# Altium PCB 2440PCBV8.PcbDoc (part 4 of 4)
Units mm, origin at the board's own origin, x right, y up, seen from the top; angles counter-clockwise.
Board outline 100.55 x 165.78 mm, 6 copper layers (Top Layer, GND1, SIG1, VCC, GND2, Bottom Layer), stack 1.803 mm thick; 257 components, 255 nets, 1164 pads, 733 vias.
Unrouted connection lines stored in the file: 55.
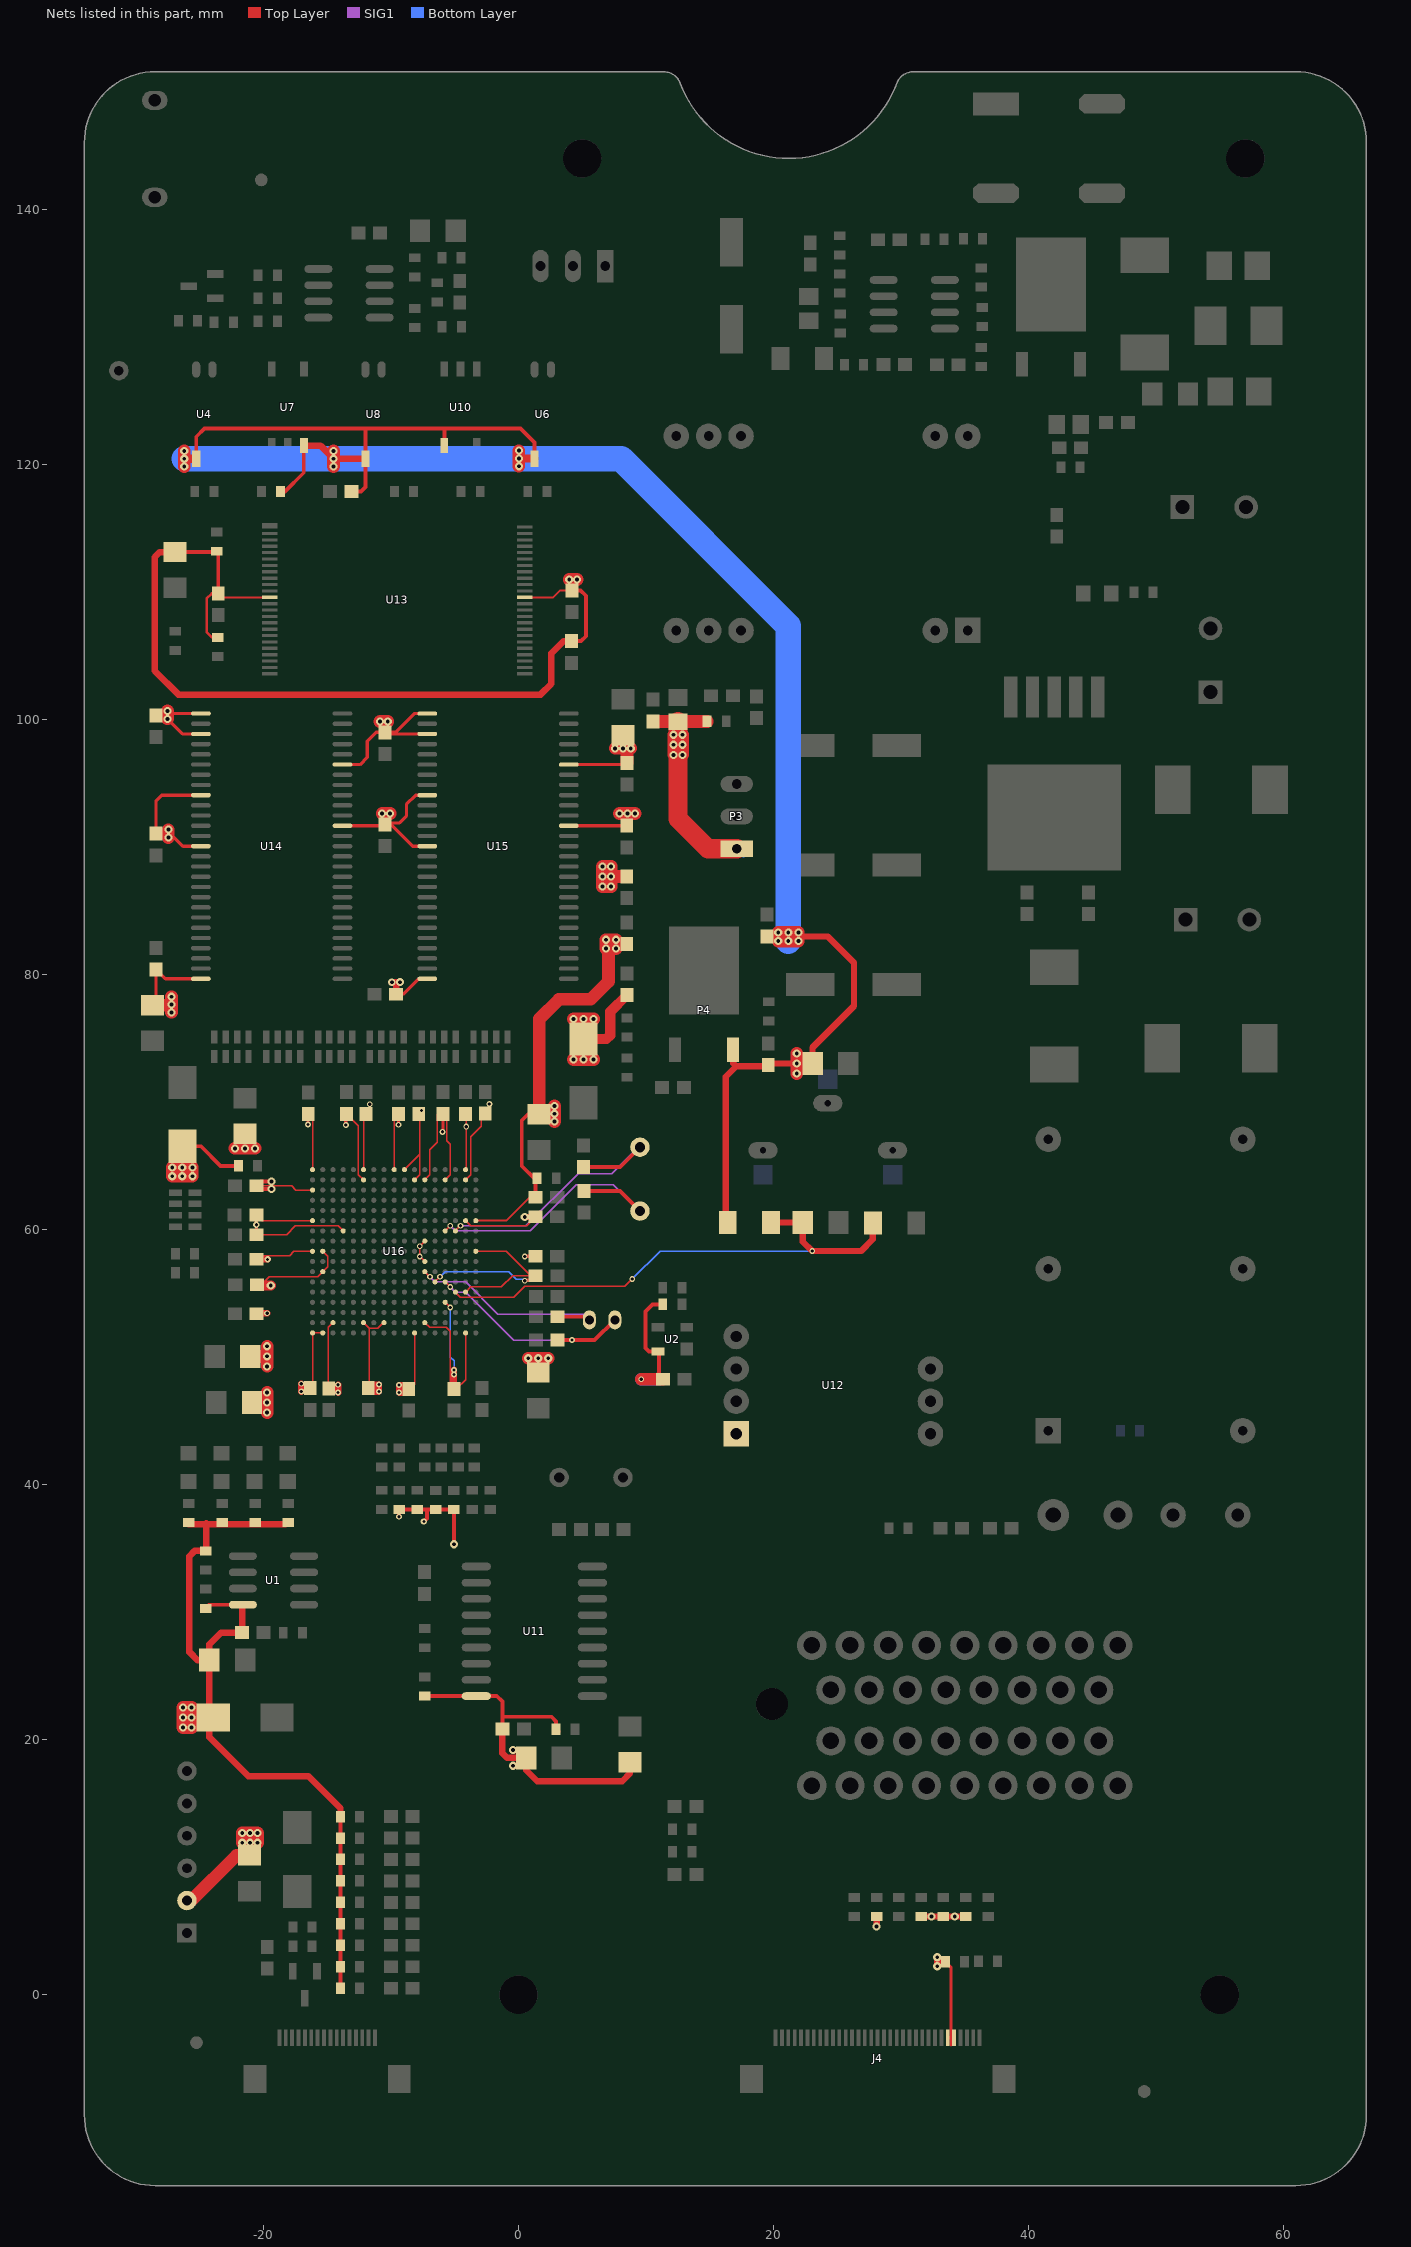
[diagram p8: the nets of this part, all layers, seen from the top]

## Via types
v1: diameter 0.635, hole 0.305, Top Layer to Bottom Layer, tented both sides, 275 vias
v2: diameter 0.457, hole 0.254, Top Layer to Bottom Layer, tented both sides, 233 vias
v3: diameter 0.6, hole 0.3, Top Layer to Bottom Layer, tented both sides, 106 vias
v4: diameter 0.762, hole 0.381, Top Layer to Bottom Layer, tented both sides, 59 vias
v5: diameter 0.508, hole 0.254, Top Layer to Bottom Layer, tented both sides, 59 vias
v6: diameter 0.406, hole 0.254, Top Layer to Bottom Layer, tented both sides, 1 vias

## Nets (pads, with @x,y where several pads share a name; then routed paths per layer and width w, separated by ;. In a path a pad name is that pad's centre, name@x,y a point inside that pad or via, vN(x,y) a via of type N, cw(c..) or ccw(c..) an arc to the next point about the centre after c; other vN are vias at no path point) (continued)
VDD1.3V: C54.1 C56.1 C58.1 C59.1 C60.1 C61.1 C62.1 C63.1 C64.1 C65.1 C66.1 C67.1 CP4.1 CP12.1 CP13.1 CP14.1 RK1.2 U16.A1 U16.A6 U16.A10 U16.A16 U16.B11 U16.F1 U16.F16 U16.G4 U16.J2 U16.J17 U16.L2 U16.M13 U16.N16 U16.T6 U16.T8 U16.U1 U16.U2 U16.U11 | length 107.6
  Top Layer w0.102: C66.1@-20.531,55.761 -20.081,55.761 -19.543,56.299 -15.748,56.299 U16.L2@-15.348,56.699 -14.961,57.086 -14.961,57.912 U16.J2@-15.348,58.299 ; C62.1@-20.531,61.12 -20.11,60.699 U16.F1@-16.148,60.699 ; C54.1@-20.472,59.66 C54.1@-20.531,59.602 -18.185,59.602 -17.488,60.299 -14.148,60.299 U16.G4@-13.748,59.899 ; C61.1@-16.479,69.095 C61.1@-16.479,69.069 -16.148,68.738 U16.A1@-16.148,64.699 ; C67.1@-16.358,47.548 C67.1@-16.338,47.567 -16.148,47.758 U16.U1@-16.148,51.899 U16.U2@-15.348,51.899 ; U16.T6@-12.148,52.699 -11.719,52.27 -11.719,47.997 -11.856,47.86 -11.856,47.567 C64.1@-11.721,47.701 ; U16.A6@-12.148,64.699 -12.148,68.955 C60.1@-12.008,69.069 ; -11.719,52.27 -11.051,52.27 -10.623,52.699 U16.T8@-10.548,52.699 ; U16.A10@-8.948,64.699 -7.748,65.899 ; C56.1@-8.548,47.484 -8.148,47.884 U16.U11@-8.148,51.899 ; C63.1@-8.23,68.657 C63.1@-7.83,69.057 ; U16.B11@-8.148,63.899 -7.748,64.299 -7.748,65.899 ; C63.1@-7.748,68.885 -7.748,65.899 ; U16.M13@-6.548,55.899 v2(-6.148,56.299) ; U16.N16@-4.148,55.099 -3.748,55.499 -1.346,55.499 -0.456,56.388 C65.1@0.965,56.388 ; U16.A16@-4.148,64.699 -4.103,64.744 v2(-4.103,68.072) -4.103,69.037 C59.1@-4.148,69.082 ; U16.J17@-3.348,58.299 -0.946,58.299 C65.1@0.965,56.388 ; v2(0.497,55.988) v2@0.541,56.032 ; C65.1@1.347,56.388 C65.1@0.965,56.388
  Top Layer w0.152: U16.F16@-4.148,60.699 -3.749,60.3 0.64,60.3 1.325,60.985 C58.1@1.339,60.999
  Top Layer w0.254: C62.1@-20.562,61.138 -20.562,60.389 v5(-20.549,60.376) -20.549,59.62 C54.1@-20.531,59.602 ; v2(-16.504,68.25) -16.504,69.043 C61.1@-16.479,69.069 ; v2@0.541,56.032 C65.1@1.397,56.032
  Top Layer w0.5: v2(-17.029,47.295) v2(-17.029,47.904) ; v1(0.489,60.985) C58.1@1.325,60.985 ; C64.1@-11.684,47.561 -11.418,47.295 v2(-10.948,47.295) v2(-10.948,47.854) ; C64.1@-11.684,47.561 -11.241,47.561 v2(-10.948,47.854) ; C64.1@-11.684,47.561 -11.391,47.854 v2(-10.948,47.854) ; v2(-9.361,47.219) v2(-9.361,47.803) -8.892,47.803 C56.1@-8.599,47.51 ; v2(-9.361,47.219) -9.069,47.51 C56.1@-8.599,47.51 ; v2(-9.361,47.219) -8.89,47.219 C56.1@-8.599,47.51
  Top Layer w0.8: C66.1@-20.511,55.677 -20.461,55.626 v1(-19.431,55.626) ; CP4.1@5.105,74.941 6.894,74.941 7.188,75.235 7.188,77.079 RK1.2@8.507,78.398
  Top Layer w1: v1(-22.224,66.37) v1(-21.436,66.37) v1(-20.649,66.37) ; v1(-19.71,45.644) v1(-19.71,46.431) v1(-19.71,47.219) ; v1(0.762,49.911) v1(1.549,49.911) v1(2.337,49.911) ; v1(4.318,73.33) v1(5.105,73.33) v1(5.893,73.33) ; v1(4.318,76.505) v1(5.105,76.505) v1(5.893,76.505)
  Bottom Layer w0.102: v2(-6.148,56.299) -5.748,56.699 -0.767,56.699 -0.177,56.109 0.376,56.109 v2(0.497,55.988)
  other v2: -7.601,69.348 -11.659,69.825
VDD5V: C6.1 C34.1 CP8.1 P3.1 pad.0@-26,7.38 R64.1 R65.1 RF1.2 RF3.2 RT4.2 RV6.2 U11.18 U12.1 | length 61.8
  Top Layer w0.305: R64.1@-7.366,23.431 -7.354,23.419 U11.18@-3.305,23.419 -1.702,23.419 -1.268,22.985 -1.268,21.793 ; C34.1@-1.268,20.828 -1.268,21.793 ; R65.1@3.135,20.641 R65.1@2.947,20.83 2.947,21.426 2.579,21.793 -1.268,21.793
  Top Layer w0.5: C34.1@-1.27,20.826 -1.27,18.948 -0.889,18.567 CP8.1@0.607,18.567 0.607,17.605 1.473,16.739 8.128,16.739 8.738,17.348 RF3.2@8.738,18.234 ; v1(-0.432,17.958) CP8.1@-0.003,17.958 ; v1(-0.432,19.177) CP8.1@-0.003,19.177
  Top Layer w1: pad.0@-26,7.38 -25.665,7.38 -22.12,10.925 RF1.2@-21.077,10.925 ; C6.1@10.821,99.847 RV6.2@14.795,99.847 ; v1@12.83,97.231 12.522,97.231 v1(12.167,97.231) v1(12.167,98.019) v1(12.167,98.806) 12.522,98.806 v1(12.852,98.806) v1(12.852,98.019) v1(12.852,97.231) ; v1(-21.666,11.913) v1(-21.063,11.913) v1(-20.459,11.913) v1(-20.459,12.675) v1(-21.063,12.675) v1(-21.666,12.675) -21.666,12.649 v1(-21.666,11.913)
  Top Layer w1.5: RT4.2@12.522,99.828 12.522,98.806 12.522,97.231 12.522,92.202 14.859,89.865 P3.1@17.12,89.865
  Bottom Layer w0.305: P3.1@17.12,89.865 P3.1@17.653,89.332
VDD33V: C8.1 C11.1 C12.1 C29.1 CP1.1 CP3.1 CP5.1 D6.1 J4.28 J4.29 P4.3 R4.1 R5.1 R6.1 R7.1 R9.1 R10.1 R12.1 R22.1 R23.1 R24.1 R26.1 R27.1 R28.1 R29.1 R30.1 R31.1 R32.1 R33.1 R34.1 R36.1 R51.1 R53.1 R71.1 R72.2 R73.2 R74.2 RD1.2 U1.8 U2.4 U4.1 U6.1 U7.6 U8.1 U10.1 | length 274.6
  Top Layer w0.254: R51.1@33.464,2.591 R51.1@33.66,2.395 ; J4.28@33.66,-3.375 33.909,-3.375 ; R51.1@33.66,2.51 R51.1@33.66,2.395 ; 33.909,-3.937 33.909,-3.375 ; J4.29@34.16,-3.375 33.909,-3.375 ; R51.1@33.66,2.395 33.909,2.146 33.909,-3.375
  Top Layer w0.305: U4.1@-25.273,120.452 -25.273,122.174 -24.613,122.834 -12.014,122.834 ; R9.1@-24.538,30.302 -24.259,30.582 U1.8@-21.618,30.582 ; R53.1@-18.665,117.881 -18.312,117.881 -16.84,119.353 -16.84,121.869 U7.6@-16.815,121.895 ; R34.1@-13.958,0.508 R28.1@-13.958,2.191 R31.1@-13.958,3.873 R29.1@-13.958,5.556 R32.1@-13.958,7.239 R27.1@-13.958,8.922 R26.1@-13.958,10.604 R30.1@-13.958,12.287 R33.1@-13.958,13.97 ; C29.1@-13.091,117.88 -12.346,117.88 -12.002,118.224 U8.1@-12.002,120.269 ; U8.1@-12.002,120.701 -12.002,122.822 -12.014,122.834 ; R36.1@-9.474,38.036 R36.1@-9.364,38.036 ; v2(-9.364,37.482) R36.1@-9.364,38.036 ; R36.1@-9.364,38.061 R36.1@-9.364,38.036 ; v5(-7.417,37.109) -7.188,37.338 -7.188,38.036 ; U10.1@-5.817,121.487 -5.817,122.809 ; R22.1@-5.092,38.036 R24.1@-6.502,38.036 -7.188,38.036 ; v1(-5.072,35.323) R22.1@-5.072,38.036 ; U6.1@1.27,120.452 1.27,121.717 0.152,122.834 -12.014,122.834 ; U2.4@10.94,50.434 10.246,50.434 9.957,50.724 9.957,53.569 10.516,54.127 R12.1@11.315,54.127 ; U2.4@11.024,50.351 C12.1@11.024,48.601 ; C12.1@11.364,48.26 C12.1@11.024,48.601 ; C8.1@19.583,72.796 C8.1@19.583,72.912 C8.1@19.583,73.025 ; R36.1@-9.364,38.036 -7.188,38.036 ; C12.1@11.024,48.601 11.024,48.553 C12.1@11.317,48.26 10.94,48.684 C12.1@11.024,48.601
  Top Layer w0.5: D6.1@16.256,60.708 16.256,71.984 17.069,72.796 ; P4.3@16.834,74.111 16.834,73.031 17.069,72.796 ; RD1.2@19.482,82.995 19.495,82.982 20.371,82.982 21.946,82.982 24.257,82.982 26.314,80.924 26.314,77.532 23.06,74.277 CP3.1@23.06,73.025 v1(21.819,73.025) C8.1@19.583,73.025 ; C8.1@19.583,72.796 17.069,72.796 ; v1(32.842,2.941) v1(32.842,2.235) R51.1@33.198,2.591
  Top Layer w0.508: R74.2@-25.84,36.906 -24.494,36.906 ; -24.494,36.957 -24.494,36.906 ; U1.8@-21.618,30.582 -21.678,30.521 C11.1@-21.678,28.399 -23.317,28.399 -24.236,27.48 CP5.1@-24.236,26.238 ; R73.2@-18.059,37.121 -18.275,36.906 -20.653,36.906 -24.494,36.906 ; U7.6@-16.815,121.487 -15.533,121.487 -14.503,120.457 -14.498,120.452 U8.1@-12.002,120.452 ; R33.1@-13.958,13.97 -13.958,14.618 -16.485,17.145 -21.189,17.145 -24.236,20.192 CP5.1@-24.236,26.238 ; v1(28.083,5.359) R4.1@28.083,6.133 ; R6.1@31.58,6.133 v1(32.385,6.133) v1(34.214,6.133) R7.1@35.076,6.133 ; -24.494,36.906 -24.494,34.844 R10.1@-24.538,34.799 -25.399,34.799 -25.806,34.392 -25.806,26.873 -25.171,26.238 CP5.1@-24.236,26.238
  Top Layer w0.635: v1(-26.213,120.447) U4.1@-25.278,120.447 ; v1(0.025,120.472) U6.1@1.25,120.472
  Top Layer w1: v1(-26.314,22.53) v1(-26.314,21.742) v1(-26.314,20.955) v1(-25.629,20.955) v1(-25.629,21.742) v1(-25.629,22.53) v1@-26.292,22.53 ; v1(-26.213,119.837) v1(-26.213,120.447) v1(-26.213,121.056) ; v1(-14.503,119.837) v1(-14.503,120.447) -14.503,120.457 v1(-14.503,121.056) ; v1(0.025,119.863) v1(0.025,120.472) v1(0.025,121.082) ; v2(9.627,48.26) C12.1@11.317,48.26 ; v1(21.819,72.238) v1(21.819,73.025) v1(21.819,73.812) ; v1@21.946,83.29 21.946,82.982 v1(21.946,82.626) v1(21.158,82.626) v1(20.371,82.626) 20.371,82.982 v1(20.371,83.312) v1(21.158,83.312) v1(21.946,83.312)
  Bottom Layer w1: v2(9.627,48.26) 11.016,48.26
  Bottom Layer w2: v1(-26.213,120.447) v1(-14.503,120.447) 8.052,120.447 21.158,107.34 v1(21.158,83.312) v1(21.158,82.626)
VDD33V0: C68.1 C69.1 C70.1 C71.1 C72.1 C73.1 C74.1 C75.1 C76.1 C77.1 C78.1 CP2.1 CP15.1 CP16.1 R70.1 R80.1 RD3.2 U16.A9 U16.B6 U16.B12 U16.B14 U16.B16 U16.C1 U16.F17 U16.H12 U16.J1 U16.K12 U16.P14 U16.T3 U16.T12 U16.U16 | length 119.3
  Top Layer w0.102: C78.1@-20.531,57.681 C78.1@-20.488,57.724 ; C69.1@-20.531,63.442 -17.799,63.442 -17.456,63.099 U16.C1@-16.148,63.099 ; C78.1@-20.445,57.681 C78.1@-20.422,57.658 ; C78.1@-20.362,57.963 C78.1@-20.249,57.963 ; C78.1@-20.306,57.906 C78.1@-20.249,57.963 ; U16.J1@-16.148,58.299 -17.609,58.299 -17.945,57.963 C78.1@-20.249,57.963 ; C75.1@-14.593,47.345 C75.1@-14.783,47.535 ; U16.T3@-14.548,52.699 -14.919,52.328 -14.919,47.671 C75.1@-14.795,47.548 ; v2(-13.538,68.199) -13.49,68.248 C73.1@-13.49,69.076 -12.548,68.134 -12.548,64.299 U16.B6@-12.148,63.899 ; U16.A9@-9.748,64.699 -9.748,68.739 C72.1@-9.417,69.069 ; U16.H12@-7.351,59.099 -7.348,59.099 v2(-7.748,58.699) v2(-7.748,57.899) U16.K12@-7.348,57.499 U16.K12@-7.348,57.499 ; U16.T12@-7.348,52.699 -6.977,52.328 -5.652,52.328 -5.348,52.024 -5.348,47.981 -5.055,47.969 -4.9,47.57 -4.877,47.51 -4.148,48.239 U16.U16@-4.148,51.899 ; U16.B12@-7.348,63.899 -6.948,64.299 -6.948,66.268 -6.357,66.859 C71.1@-6.357,69.057 ; C71.1@-5.823,68.687 -5.607,68.903 -5.607,66.948 -5.348,66.688 -5.348,64.299 U16.B14@-5.748,63.899 ; U16.P14@-5.748,54.299 v2(-5.348,53.899) ; U16.B16@-4.148,63.943 U16.B16@-4.148,63.899 -3.748,64.299 -3.748,67.264 -2.902,68.109 C68.1@-2.902,69.145 ; C75.1@-14.795,47.548 C75.1@-14.783,47.535 ; C75.1@-14.795,47.548 -14.808,47.535 C75.1@-14.783,47.535
  Top Layer w0.152: U16.F17@-3.348,60.699 -0.952,60.699 0.889,62.54 C70.1@1.339,62.54
  Top Layer w0.254: C78.1@-20.488,57.724 C78.1@-20.445,57.681 ; C78.1@-20.362,57.963 C78.1@-20.306,57.906 ; v2(-13.538,68.199) -13.538,69.028 C73.1@-13.49,69.076 ; C72.1@-9.417,69.069 -9.405,69.056 v2(-9.405,68.219) ; v2(-5.969,67.666) -5.925,67.71 C71.1@-5.925,69.082 ; v2@0.521,57.918 C77.1@1.339,57.918
  Top Layer w0.305: CP2.1@-26.365,66.537 -24.896,66.537 -23.358,64.999 R70.1@-21.959,64.999 ; C69.1@-20.258,63.17 v1(-19.38,63.17) ; C69.1@-20.194,63.779 v1(-19.38,63.779) ; C70.1@1.339,62.54 1.339,63.913 0.254,64.998 0.254,68.568 0.727,69.04 CP15.1@1.626,69.04
  Top Layer w0.5: C74.1@-20.531,53.409 -20.498,53.442 v2(-19.71,53.442) ; C78.1@-20.531,57.681 -20.507,57.658 -20.422,57.658 v5(-19.681,57.658) ; v2(-14.148,47.219) v2(-14.148,47.828) ; C76.1@-5.055,47.51 -5.055,47.969 v2@-5.055,48.567 ; v2(-5.055,48.641) v2(-5.055,48.997) ; C70.1@1.268,62.611 C70.1@1.339,62.54
  Top Layer w1: v1(-27.153,64.186) v1(-26.365,64.186) v1(-25.578,64.186) v1(-25.578,64.872) v1(-26.365,64.872) v1(-27.153,64.872) v1@-27.153,64.208 ; CP16.1@-21.003,50.063 CP16.1@-21.028,50.038 -19.736,50.038 v1(-19.71,50.063) ; v1(-19.71,49.276) v1(-19.71,50.063) ; v1(-19.71,50.851) v1(-19.71,50.063) ; CP15.1@1.626,69.04 1.626,76.505 3.175,78.054 5.651,78.054 7.061,79.465 v1@7.061,82.042 ; v1(2.819,68.478) v1(2.819,69.088) v1(2.819,69.698) ; v1@6.858,82.271 v1(6.858,82.728) v1(7.645,82.728) v1(7.645,82.042) v1@7.061,82.042 ; v1@6.858,82.271 7.061,82.067 v1@7.061,82.042 ; v1@6.858,82.271 v1(6.858,82.042) v1@7.061,82.042
  Bottom Layer w0.102: v2(-5.348,53.899) -5.348,50.001 -5.055,49.708 v2(-5.055,48.997) v2(-5.055,48.641)
  other v2: 0.489,57.887 -2.286,69.85
VDD_RTC: CP17.1 D6.2 D7.2 U16.N15 | length 41.1
  Top Layer w0.102: U16.N15@-4.948,55.099 -4.548,54.699 -0.375,54.699 0.476,55.55 8.336,55.55 v2(8.921,56.134)
  Top Layer w0.5: D6.2@19.81,60.554 CP17.1@22.298,60.554 22.298,59.058 v2(23.038,58.318) 26.875,58.318 27.789,59.233 D7.2@27.789,60.528
  Bottom Layer w0.102: v2(8.921,56.134) 11.105,58.318 v2(23.038,58.318)
VDDNAND: C38.1 C39.1 CP9.1 R68.1 R69.1 RD4.2 U13.12 U13.37 | length 72.9
  Top Layer w0.152: C38.1@-23.546,109.892 -23.239,109.585 U13.12@-19.513,109.585 ; U13.37@0.487,109.585 2.727,109.585 3.263,110.121 C39.1@4.191,110.121
  Top Layer w0.203: R69.1@-23.597,106.439 -24.028,106.439 -24.46,106.871 -24.46,109.474 -24.042,109.892 C38.1@-23.546,109.892
  Top Layer w0.305: CP9.1@-26.949,113.135 -23.733,113.135 -23.546,112.948 C38.1@-23.546,109.892 ; RD4.2@4.166,106.145 4.9,106.145 5.283,106.528 5.283,109.704 4.866,110.121 C39.1@4.191,110.121
  Top Layer w0.508: CP9.1@-26.949,113.135 -28.127,113.135 -28.524,112.737 -28.524,103.81 -26.67,101.956 1.727,101.956 2.565,102.794 2.565,105.181 3.529,106.145 RD4.2@4.166,106.145
  Top Layer w1: v1(3.981,110.971) v1(4.591,110.971)
VDDSDRAM: C40.1 C41.1 C42.1 C43.1 C44.1 C45.1 C46.1 C47.1 CP10.1 CP11.1 RD2.2 U14.1 U14.3 U14.9 U14.14 U14.27 U14.43 U14.49 U15.1 U15.3 U15.9 U15.14 U15.27 U15.43 U15.49 | length 78
  Top Layer w0.254: C47.1@-28.423,80.379 -28.423,78.032 CP10.1@-28.016,77.625 ; C43.1@-28.423,91.049 -27.457,91.049 -27.295,91.049 -26.314,90.068 U14.14@-24.905,90.068 ; C43.1@-28.423,91.186 -28.423,93.624 -27.979,94.068 U14.9@-24.905,94.068 ; C47.1@-28.397,80.379 -27.686,79.668 U14.27@-24.905,79.668 ; U14.3@-24.905,98.868 -26.351,98.868 v1(-27.534,100.051) -27.799,100.316 C40.1@-28.423,100.316 -28.271,100.468 -27.534,100.468 U14.1@-24.905,100.468 ; U14.43@-13.805,91.668 -10.578,91.668 C44.1@-10.465,91.782 -10.019,91.782 -8.306,90.068 U15.14@-7.15,90.068 ; U14.49@-13.805,96.468 -12.421,96.468 -11.856,97.033 -11.856,98.297 -11.157,98.996 C46.1@-10.465,98.996 ; C44.1@-10.573,91.89 -9.328,91.89 -8.788,92.43 -8.788,93.345 -8.065,94.068 U15.9@-7.15,94.068 ; C45.1@-9.728,78.472 -9.589,78.472 -9.031,78.472 -7.835,79.668 U15.27@-7.15,79.668 ; U15.3@-7.15,98.868 -10.338,98.868 C46.1@-10.465,98.996 ; U15.1@-7.15,100.468 -8.167,100.468 -9.64,98.996 C46.1@-10.465,98.996 ; U15.43@3.95,91.668 8.478,91.668 C42.1@8.49,91.68 ; U15.49@3.95,96.468 C41.1@8.435,96.468
  Top Layer w0.5: v3(-9.931,79.4) v1@-9.589,79.4 ; C45.1@-9.589,78.472 v1@-9.589,79.4 ; v1(-9.296,79.4) v1@-9.589,79.4
  Top Layer w1: CP10.1@-28.702,77.6 v1@-27.257,77.6 ; v1(-27.534,100.051) -27.534,100.468 v1(-27.534,100.66) ; v1(-27.457,90.754) -27.457,91.049 v1(-27.457,91.364) ; v1@-27.21,77.045 v1(-27.21,77.648) v1(-27.21,78.257) ; v1(-10.865,99.846) v1(-10.255,99.846) ; v1(-10.693,92.632) v1(-10.065,92.632) ; v1@7.242,86.893 v1(6.579,86.893) v1(6.579,87.681) v1(6.579,88.468) v1(7.264,88.468) v1@7.264,87.693 ; v1@7.251,87.693 v1@7.264,87.693 ; v1(7.264,86.893) v1(7.264,87.681) v1@7.264,87.693 ; v1(7.582,97.739) v1(8.191,97.739) v1@8.509,97.739 ; v1(7.925,92.634) v1(8.534,92.634) v1(9.144,92.634) ; RD2.2@8.49,87.693 v1@7.264,87.693 ; C41.1@8.509,96.608 v1@8.509,97.739 ; CP11.1@8.509,98.473 v1@8.509,97.739 ; v1(8.801,97.739) v1@8.509,97.739
  other v1: -27.216,77.038
XTIPLL: C49.1 U16.G14 X2.2 | length 23.2
  Top Layer w0.102: U16.G14@-5.748,59.899 v2(-5.348,60.299)
  Top Layer w0.305: C49.1@5.131,63.029 7.951,63.029 X2.2@9.525,61.455
  SIG1 w0.102: v2(-5.348,60.299) -4.948,59.899 0.92,59.899 4.521,63.5 7.442,63.5 8.966,61.976 X2.2@8.966,61.023
XTIRTC: C48.2 U16.M14 X3.2 | length 17.1
  Top Layer w0.102: U16.M14@-5.748,55.899 v2(-5.348,55.499)
  Top Layer w0.305: C48.2@2.933,51.333 C48.2@3.06,51.333 5.974,51.333 X3.2@7.561,52.92
  SIG1 w0.102: v2(-5.348,55.499) -4.948,55.099 -4.693,55.099 -4.148,55.099 -0.382,51.333 v2(4.191,51.333)
XTOPLL: C53.1 U16.G15 X2.1 | length 22.2
  Top Layer w0.102: U16.G15@-4.948,59.899 v2(-4.548,60.299)
  Top Layer w0.305: C53.1@5.105,64.911 7.977,64.911 X2.1@9.525,66.459
  SIG1 w0.102: v2(-4.548,60.299) 0.583,60.299 4.674,64.389 7.328,64.389 X2.1@9.462,66.523
XTORTC: C52.2 U16.L12 X3.1 | length 16.9
  Top Layer w0.102: U16.L12@-7.348,56.699 v2(-6.948,56.299)
  Top Layer w0.305: C52.2@2.933,53.162 C52.2@3.06,53.162 5.27,53.162 X3.1@5.485,53.378
  SIG1 w0.102: v2(-6.948,56.299) -6.548,55.899 -4.148,55.899 -1.627,53.378 X3.1@5.485,53.378
pads on no net: B5. B5.1@19.177,64.313 J2.17 J2.18 J3. J3.2 J3.3 J3.12 J3.20 J3.21 J4.32 J4.34 J4.35 M1.1 M2.1 M3.1 P5.11 P5.16@14.91,106.985 P5.16@14.91,122.225 P5.16@17.45,122.225 RA4.1 RA4.8 RA5.4 RA5.5 U2.3 U11.3 U11.4 U11.5 U11.6 U11.10 U11.11 U13.1 U13.2 U13.3 U13.4 U13.5 U13.6 U13.10 U13.11 U13.14 U13.15 U13.20 U13.21 U13.22 U13.23 U13.24 U13.25 U13.26 U13.27 U13.28 U13.33 U13.34 U13.35 U13.38 U13.39 U13.40 U13.45 U13.46 U13.47 U13.48 U14.40 U15.40 U16.B2 U16.C2 U16.C3 U16.C4 U16.C5 U16.C9 U16.C10 U16.D3 U16.D9 U16.D10 U16.D11 U16.E3 U16.E7 U16.E10 U16.F6 U16.F7 U16.F9 U16.G2 U16.G3 U16.G5 U16.G7 U16.G9 U16.H2 U16.H3 U16.H4 U16.H5 U16.H6 U16.H7 U16.H9 U16.H10 U16.J3 U16.J4 U16.J8 U16.J9 U16.J12 U16.K3 U16.K8 U16.K11 U16.K15 U16.K17 U16.L1 U16.L3 U16.L6 U16.L8 U16.L17 U16.M2 U16.M3 U16.M5 U16.M7 U16.M8 U16.N2 U16.N8 U16.N13 U16.P1 U16.P7 U16.P8 U16.P10 U16.P11 U16.R2 U16.R7 U16.R8 U16.R9 U16.T4 U16.T7 U16.U6 U16.U12

## Polygon pours and split planes (outlines as drawn)
GND on SIG1 "SIG1-No Net" (solid, remove dead copper, pour order 18): 40.945,-12.573 40.945,17.455 32.778,25.622 32.778,25.682 28.725,25.682 27.813,26.594 27.813,48.057 32.969,53.213 32.969,98.806 32.944,98.831 8.407,123.368 -34.055,123.368 -34.147,123.459 -34.047,123.359 -34.047,-4.992 -34.047,-9.768 -28.778,-15.037 -28.677,-14.935 -24.488,-14.935 40.905,-14.935 40.945,-14.975
EGND on SIG1 "SIG1-No Net" (solid, remove dead copper, pour order 10): 41.963,17.422 56.609,17.422 59.045,19.858 59.137,19.95 59.137,52.883 33.812,52.883 33.683,53.012 27.813,47.142 27.813,26.594 28.725,25.682 33.68,25.682 41.811,17.551 41.963,17.551
SGND on SIG1 "Bottom Layer-No Net" (solid, remove dead copper, pour order 12): 41.3,-14.732 41.3,18.251 41.159,18.393 33.74,25.811 33.703,25.811 28.816,25.811 28.706,25.922 27.813,26.815 27.813,26.975 27.813,47.142 28.781,48.11 33.792,53.121 33.824,53.121 33.824,100.11 33.782,100.152 8.763,125.171 -34.036,125.171 -34.036,150.216 -32.817,151.435 -32.715,151.536 63.538,151.536 63.678,151.536 66.675,148.539 67.335,147.879 67.335,-13.03 67.335,-13.233 65.456,-15.113 65.075,-14.732 41.3,-14.732
GND on Bottom Layer "SIG1-No Net" (solid, remove dead copper, pour order 16): 40.945,-13.995 40.945,16.347 32.644,24.599 32.644,24.66 28.524,24.66 27.597,25.581 27.597,47.269 32.838,52.479 32.838,98.548 32.812,98.574 7.872,123.367 -35.289,123.367 -35.382,123.459 -35.281,123.358 -35.281,-6.335 -35.281,-11.161 -29.925,-16.485 -29.822,-16.382 -25.564,-16.382 40.905,-16.382 40.945,-16.422
no net on Bottom Layer "SIG1-No Net" (solid, pour order 11): 41.956,17.596 33.87,25.682 33.68,25.682 28.725,25.682 27.813,26.594 27.813,46.959 33.553,52.7 33.553,52.883 59.137,52.883 59.174,52.845 59.174,19.858 59.045,19.858 56.726,17.539 56.714,17.551 41.963,17.551
SGND on Bottom Layer "Bottom Layer-No Net" (solid, remove dead copper, pour order 13): 41.3,-14.732 41.3,18.251 41.159,18.393 33.74,25.811 33.703,25.811 28.816,25.811 28.706,25.922 27.813,26.815 27.813,26.975 27.813,47.142 28.781,48.11 33.792,53.121 33.824,53.121 33.824,100.11 33.782,100.152 8.763,125.171 -34.036,125.171 -34.036,150.216 -32.817,151.435 -32.715,151.536 63.538,151.536 63.678,151.536 66.675,148.539 67.335,147.879 67.335,-13.03 67.335,-13.233 65.456,-15.113 65.075,-14.732 41.3,-14.732
GND on Top Layer "SIG1-No Net" (solid, remove dead copper, pour order 17): 40.945,-13.995 40.945,16.347 32.644,24.599 32.644,24.66 28.524,24.66 27.597,25.581 27.597,47.269 32.838,52.479 32.838,98.548 32.812,98.574 7.872,123.367 -35.289,123.367 -35.382,123.459 -35.281,123.358 -35.281,-6.335 -35.281,-11.161 -29.925,-16.485 -29.822,-16.382 -25.564,-16.382 40.905,-16.382 40.945,-16.422
SGND on Top Layer "Bottom Layer" (solid, remove dead copper, pour order 14): 41.3,-14.732 41.3,18.251 41.159,18.393 33.74,25.811 33.703,25.811 28.816,25.811 28.706,25.922 27.813,26.815 27.813,26.975 27.813,47.142 28.781,48.11 33.792,53.121 33.824,53.121 33.824,100.11 33.782,100.152 8.763,125.171 -34.036,125.171 -34.036,150.216 -32.817,151.435 -32.715,151.536 63.538,151.536 63.678,151.536 66.675,148.539 67.335,147.879 67.335,-13.03 67.335,-13.233 65.456,-15.113 65.075,-14.732 41.3,-14.732
EGND on Top Layer "SIG1-No Net" (solid, remove dead copper, pour order 15): 41.956,17.596 33.87,25.682 33.68,25.682 28.725,25.682 27.813,26.594 27.813,46.959 33.553,52.7 33.553,52.883 59.137,52.883 59.174,52.845 59.174,19.858 59.045,19.858 56.726,17.539 56.714,17.551 41.963,17.551
EGND on GND1 (split plane): 39.141,45.212 39.174,43.918 39.294,43.078 39.624,42.367 40.488,41.504 41.732,41.138 48.87,41.123 54.788,41.123 56.59,41.151 57.531,41.351 58.268,41.834 58.598,42.139 58.915,42.554 58.915,19.912 56.685,17.681 41.963,17.681 41.914,17.671 41.904,17.664 33.795,25.773 33.753,25.802 33.703,25.811 28.779,25.811 27.942,26.647 27.942,47.089 33.607,52.753 39.141,52.753
GND on GND1 (split plane): 33.424,99.083 33.424,52.936 27.721,47.234 27.693,47.192 27.684,47.142 27.684,26.594 27.693,26.544 27.721,26.502 28.633,25.59 28.675,25.562 28.725,25.552 33.65,25.552 41.704,17.498 41.704,-13.053 -22.158,-13.053 -22.178,-13.049 -22.178,-13.051 -22.608,-13.042 -23.038,-13.014 -23.466,-12.967 -23.892,-12.901 -24.315,-12.817 -24.733,-12.715 -25.147,-12.594 -25.554,-12.456 -25.956,-12.3 -26.35,-12.126 -26.737,-11.936 -27.114,-11.729 -27.482,-11.505 -27.841,-11.266 -28.188,-11.011 -28.524,-10.742 -28.848,-10.458 -29.159,-10.16 -29.457,-9.849 -29.741,-9.525 -30.01,-9.189 -30.265,-8.841 -30.504,-8.483 -30.728,-8.115 -30.935,-7.737 -31.126,-7.351 -31.299,-6.957 -31.455,-6.555 -31.594,-6.147 -31.714,-5.734 -31.817,-5.315 -31.901,-4.893 -31.966,-4.467 -32.013,-4.039 -32.041,-3.609 -32.051,-3.179 -32.048,-3.179 -32.052,-3.158 -32.052,122.578 -30.706,123.924 8.582,123.924
SGND on GND1 (split plane): 211 vertices, not listed, extent -34.021,-14.95 66.473,150.775
VCC5V on VCC (split plane): 30.783,126.265 -21.54,126.265 -21.54,139.953 4.112,139.953 4.112,133.013 4.122,132.964 4.15,132.922 4.169,132.903 4.211,132.875 4.261,132.865 9.55,132.865 9.6,132.875 9.642,132.903 9.67,132.945 9.68,132.994 9.68,139.953 30.783,139.953
VCC24V on VCC (split plane): 56.462,71.275 37.137,71.275 37.137,99.859 37.127,99.909 37.099,99.951 30.939,106.111 30.939,116.863 38.668,116.863 38.673,116.86 38.722,116.85 38.772,116.86 38.814,116.888 45.316,123.391 56.462,123.391
VDD1.3V on VCC (split plane): 172 vertices, not listed, extent -25.399,44.257 7.441,76.834
VDD5V on VCC (split plane): 18.59,95.869 18.59,72.796 18.6,72.747 18.628,72.705 20.8,70.533 20.8,27.457 20.81,27.408 20.838,27.366 26.414,21.79 26.414,16.942 26.417,16.925 15.538,6.047 -23.748,6.047 -23.748,16.737 -12.065,16.737 -12.035,16.743 -12.01,16.76 14.891,43.661 14.908,43.686 14.914,43.716 14.914,48.205 14.931,48.23 14.937,48.26 14.937,53.226 14.931,53.255 14.914,53.281 14.914,87.044 14.928,87.053 14.956,87.095 14.966,87.145 14.956,87.194 14.928,87.236 11.483,90.681 11.483,99.566 14.894,99.566
AMP_2_VCC24 on VCC (split plane): 59.561,27.689 58.776,26.904 58.748,26.862 58.744,26.844 58.726,26.84 58.684,26.812 53.667,21.796 40.77,21.796 39.601,22.964 39.601,40.917 59.561,40.917
VDD33V0 on VCC (split plane): 9.447,82.677 9.447,50.129 0.823,41.505 -28.929,41.505 -28.929,75.692 -28.929,76.326 -0.418,76.326 -0.388,76.331 -0.363,76.348 6.599,83.311 9.447,83.311
VCC12V on VCC (split plane): 188 vertices, not listed, extent -33.856,7.648 64.691,150.775
VDDSDRAM on VCC (split plane): 9.447,101.569 9.447,83.466 6.567,83.466 6.537,83.46 6.512,83.443 -0.45,76.481 -28.929,76.481 -28.929,100.914 -28.929,101.573 9.447,101.573
VDDNAND on VCC (split plane): 9.446,113.939 9.446,101.728 -28.929,101.728 -28.929,116.508 6.877,116.508
no net on VCC (split plane): 175 vertices, not listed, extent -34.021,-14.95 66.473,150.775
VDD33V on VCC (split plane): 32.84,98.752 32.84,53.267 27.721,48.148 27.693,48.106 27.684,48.057 27.684,26.594 27.693,26.544 27.721,26.502 28.633,25.59 28.675,25.562 28.725,25.552 32.664,25.552 40.815,17.401 40.815,-12.444 -21.356,-12.444 -21.394,-12.436 -21.394,-12.438 -21.825,-12.429 -22.255,-12.401 -22.683,-12.354 -23.109,-12.288 -23.531,-12.204 -23.95,-12.102 -24.363,-11.981 -24.771,-11.843 -25.173,-11.687 -25.567,-11.513 -25.953,-11.323 -26.331,-11.116 -26.699,-10.892 -27.057,-10.653 -27.405,-10.398 -27.741,-10.128 -28.064,-9.844 -28.376,-9.547 -28.673,-9.235 -28.957,-8.912 -29.227,-8.576 -29.482,-8.228 -29.721,-7.87 -29.945,-7.502 -30.152,-7.124 -30.342,-6.738 -30.516,-6.344 -30.672,-5.942 -30.81,-5.534 -30.931,-5.121 -31.033,-4.702 -31.117,-4.28 -31.183,-3.854 -31.23,-3.426 -31.258,-2.996 -31.267,-2.576 -31.265,-2.565 -31.265,122.425 -30.452,123.238 8.354,123.238
EGND on GND2 (split plane): 58.915,52.738 58.915,19.912 56.685,17.681 41.887,17.681 33.795,25.773 33.753,25.802 33.703,25.811 28.779,25.811 27.942,26.647 27.942,47.089 33.607,52.753 58.9,52.753
GND on GND2 (split plane): 33.424,99.083 33.424,52.936 27.721,47.234 27.693,47.192 27.684,47.142 27.684,26.594 27.693,26.544 27.721,26.502 28.633,25.59 28.675,25.562 28.725,25.552 33.65,25.552 41.704,17.498 41.704,-13.049 -22.178,-13.049 -22.188,-13.051 -22.608,-13.042 -23.038,-13.014 -23.466,-12.967 -23.892,-12.901 -24.315,-12.817 -24.733,-12.715 -25.147,-12.594 -25.554,-12.456 -25.956,-12.3 -26.35,-12.126 -26.737,-11.936 -27.114,-11.729 -27.482,-11.505 -27.841,-11.266 -28.188,-11.011 -28.524,-10.742 -28.848,-10.458 -29.159,-10.16 -29.457,-9.849 -29.741,-9.525 -30.01,-9.189 -30.265,-8.841 -30.504,-8.483 -30.728,-8.115 -30.935,-7.737 -31.126,-7.351 -31.299,-6.957 -31.455,-6.555 -31.594,-6.147 -31.714,-5.734 -31.817,-5.315 -31.901,-4.893 -31.966,-4.467 -32.013,-4.039 -32.041,-3.609 -32.051,-3.179 -32.048,-3.179 -32.053,-3.154 -32.052,-3.15 -32.052,122.578 -30.706,123.924 8.582,123.924
SGND on GND2 (split plane): 211 vertices, not listed, extent -34.021,-14.95 66.473,150.775

## Keep-outs
Keep-Out Layer:
  lines w0.254: -33.858,124.638 8.788,124.638 34.011,99.416 34.011,52.959 ; 11.389,150.793 cw(c11.389,149.411) 12.686,149.888 ; 11.389,150.8 -28.491,150.8 ccw(c-28.491,145.243) -34.047,145.243 -34.047,-9.425 ccw(c-28.498,-9.425) -28.498,-14.975 60.956,-14.975 ; 12.694,149.886 ccw(c21.179,153.067) 29.696,149.971 ; 29.701,149.969 cw(c30.963,149.428) 31.013,150.8 60.947,150.8 ; 60.947,150.801 cw(c60.947,145.249) 66.499,145.249 66.499,-9.433 cw(c60.956,-9.433) 60.956,-14.976

## Other copper
Top Layer:
  rectangle net AMP_2_VCC24: 44.907,27.915 51.638,36.779
  rectangle net VCC12V: 40.64,122.377 42.85,126.365
  rectangle net SGND: 37.574,85.852 46.482,88.392
  rectangle net VCC24V: 39.116,78.994 52.502,85.42
  rectangle net VDD33V0: -20.194,63.17 -19.38,63.779
  rectangle net NetC13_1: -18.288,-3.861 -17.779,-2.896
  pour cut-out: -18.847,67.513 -0.356,67.513 -0.356,49.403 -0.381,49.378 -18.771,49.378 -18.771,67.437
  pour cut-out: 39.163,66.116 39.174,67.539 39.472,68.783 40.31,69.748 41.554,70.151 56.744,70.156 57.596,70.002 58.445,69.418 59.004,68.58 59.174,67.579 59.207,45.06 59.174,43.967 59.106,43.256 58.928,42.57 58.598,42.139 58.268,41.834 57.531,41.351 56.59,41.151 54.788,41.123 48.87,41.123 41.732,41.138 40.488,41.504 39.624,42.367 39.294,43.078 39.174,43.918 39.141,45.212 39.141,64.788 39.174,64.821 39.141,65.608
Bottom Layer:
  rectangle net VCC12V: 40.64,123.546 42.85,126.365
  rectangle net VDD5V: 11.684,96.876 13.36,99.111
  pour cut-out: 39.163,66.116 39.174,67.539 39.472,68.783 40.31,69.748 41.554,70.151 56.744,70.156 57.596,70.002 58.445,69.418 59.004,68.58 59.174,67.579 59.207,45.06 59.174,43.967 59.106,43.256 58.928,42.57 58.598,42.139 58.268,41.834 57.531,41.351 56.59,41.151 54.788,41.123 48.87,41.123 41.732,41.138 40.488,41.504 39.624,42.367 39.294,43.078 39.174,43.918 39.141,45.212 39.141,64.788 39.174,64.821 39.141,65.608
GND1 (plane layer: these items are gaps in the copper):
  pour cut-out: 39.163,66.116 39.174,67.539 39.472,68.783 40.31,69.748 41.554,70.151 56.744,70.156 57.596,70.002 58.445,69.418 59.004,68.58 59.174,67.579 59.207,45.06 59.174,43.967 59.106,43.256 58.928,42.57 58.598,42.139 58.268,41.834 57.531,41.351 56.59,41.151 54.788,41.123 48.87,41.123 41.732,41.138 40.488,41.504 39.624,42.367 39.294,43.078 39.174,43.918 39.141,45.212 39.141,64.788 39.174,64.821 39.141,65.608
  lines w0.254: -32.182,-3.179 -32.182,122.631 -30.759,124.054 8.636,124.054 33.553,99.136 33.553,52.883 ; -32.178,-3.179 ccw(c-22.178,-3.179) -22.178,-13.179 ; -22.178,-13.183 41.834,-13.183 41.834,17.551 33.703,25.682 28.725,25.682 27.813,26.594 27.813,47.142 33.553,52.883 ; 41.963,17.551 56.738,17.551 59.045,19.858 59.045,52.883 33.553,52.883
GND2 (plane layer: these items are gaps in the copper):
  lines w0.254: -32.182,-3.15 -32.182,122.631 -30.759,124.054 8.636,124.054 33.553,99.136 33.553,52.883 ; -32.178,-3.179 ccw(c-22.178,-3.179) -22.178,-13.179 38.465,-13.179 41.834,-13.179 41.834,17.551 ; 33.553,52.883 27.813,47.142 27.813,26.594 28.725,25.682 33.703,25.682 41.834,17.551 ; 33.553,52.883 58.953,52.883 59.045,52.791 59.045,19.858 56.738,17.551 41.834,17.551
VCC (plane layer: these items are gaps in the copper):
  pour cut-out: 39.163,66.065 39.174,67.488 39.472,68.732 40.31,69.698 41.554,70.101 56.744,70.105 57.596,69.952 58.445,69.367 59.004,68.529 59.174,67.528 59.207,45.009 59.174,43.917 59.106,43.205 58.928,42.52 58.598,42.088 58.268,41.783 57.531,41.3 56.59,41.101 54.788,41.072 48.87,41.072 41.732,41.087 40.488,41.453 39.624,42.316 39.294,43.028 39.174,43.867 39.141,45.161 39.141,64.737 39.174,64.77 39.141,65.557
  lines w0.152: -28.981,76.403 -0.418,76.403 6.567,83.388 9.447,83.388 ; -28.929,101.651 9.525,101.651 9.525,82.677 9.525,50.097 0.855,41.427 -29.007,41.427 -29.007,75.692 -29.007,100.914 -29.007,116.54 -28.961,116.586 6.909,116.586 9.524,113.971 9.524,101.575 ; -18.524,62.205 -23.927,62.205 -23.952,62.179 -23.952,59.004 -23.647,58.699 -18.745,58.699 -18.665,58.78 -18.665,56.568 -22.784,56.568 -22.784,56.573 -23.978,55.379 -23.978,54.61 -19.469,54.61 -19.05,54.191 -19.05,48.717 -19.533,48.235 -25.476,48.235 -25.476,44.475 -16.002,44.475 -15.596,44.069 -15.596,49.174 -15.672,49.25 -12.948,49.25 -12.948,44.329 -12.954,44.323 -6.796,44.323 -6.629,44.49 -6.629,49.352 -6.274,49.708 -2.87,49.708 -2.286,49.124 -0.838,47.676 3.226,47.676 3.226,50.698 -0.141,50.698 -0.141,55.397 4.267,55.397 4.267,57.125 -8.928,57.125 -8.928,59.411 7.518,59.411 7.518,76.911 3.505,76.911 3.505,61.951 -0.711,61.951 -0.711,67.462 -2.502,67.462 -3.581,68.542 -3.581,70.808 -4.921,70.808 -4.921,67.918 -5.892,66.948 -6.96,66.948 -6.96,71.45 -8.585,71.45 -8.585,66.563 -8.56,66.537 -10.884,66.537 -10.884,71.984 -12.725,71.984 -12.725,66.563 -14.948,66.563 -14.948,72.034 -18.524,72.034 ; 4.242,140.03 -8.498,140.03 -21.618,140.03 -21.618,126.187 30.783,126.187 ; 9.55,140.03 17.741,140.03 30.861,140.03 30.861,105.969 ; 14.836,87.145 14.836,43.716 -12.065,16.815 -23.825,16.815 -23.825,5.969 15.57,5.969 26.543,16.942 ; 14.859,48.26 14.859,53.226
  lines w0.254: -21.695,126.187 -34.022,126.187 -33.985,126.224 -33.985,148.006 -30.455,151.536 58.361,151.536 64.821,145.077 64.821,17.17 55.169,7.518 44.933,7.518 43.104,9.347 43.104,21.336 43.104,21.666 ; -21.394,-12.573 40.945,-12.573 40.945,17.455 32.718,25.682 28.725,25.682 27.813,26.594 27.813,48.057 32.969,53.213 32.969,98.806 8.407,123.368 -30.505,123.368 -31.394,122.479 -31.394,-2.565 ; -18.524,62.205 -18.524,65.837 -23.139,65.837 -23.241,65.938 -23.241,71.78 -22.987,72.034 -18.524,72.034 ; 4.242,140.03 4.242,133.013 4.261,132.994 9.55,132.994 9.55,140.03 ; 14.836,87.145 11.354,90.627 11.354,99.695 14.947,99.695 18.72,95.922 18.72,72.796 20.93,70.587 20.93,27.457 26.543,21.844 26.543,16.942 ; 30.847,106.02 37.008,99.859 37.008,71.145 58.776,71.145 59.69,70.231 59.69,27.635 58.867,26.812 ; 30.861,116.992 38.71,116.992 ; 38.722,116.98 45.263,123.52 56.591,123.52 56.591,71.145 ; 58.776,26.721 53.721,21.666 40.716,21.666 39.472,22.911 39.472,41.046 59.715,41.046 ; -31.394,-2.565 ccw(c-21.394,-2.565) -21.394,-12.565 ; -31.394,-2.565 ccw(c-21.394,-2.565) -21.394,-12.565 ; -31.394,-2.565 ccw(c-21.394,-2.565) -21.394,-12.565

## Silkscreen, mask and mechanical layers (free items; w line width, h text height)
Top Overlay:
  lines w0.154: -21.666,3.607 -21.666,5.41 ; -21.59,4.521 -17.12,4.521 -16.942,4.343 ; -17.12,4.547 -16.942,4.724
  text "PG1" at -29.604,17.018 h0.8
  text "SPI" at -29.604,14.491 h0.8
  text "B.souls" at 49.962,12.116 h0.13
  text "SPO" at -29.87,11.963 h0.8
  text "CLK" at -29.87,9.436 h0.8
  text "VDD" at -29.87,6.909 h0.8
  text "GND" at -29.642,4.47 h0.8
Top Solder:
  circle w1: c5,144 r3
  circle w1: c57,144 r3
  circle w1: c55,0 r3
  circle w1: c0,0 r3
  rectangle: 4.14,37.821 7.341,38.887
  rectangle: 2.413,42.037 9.03,44.145
  rectangle: 10.973,60.401 13.03,67.183
Bottom Solder:
  rectangle: 11.684,96.876 13.36,99.111
Mechanical 1:
  lines w0.254: 11.389,150.793 cw(c11.389,149.411) 12.686,149.888 ; 11.389,150.8 -28.491,150.8 ccw(c-28.491,145.243) -34.047,145.243 -34.047,-9.425 ccw(c-28.498,-9.425) -28.498,-14.975 60.956,-14.975 ; 12.694,149.886 ccw(c21.179,153.067) 29.696,149.971 ; 29.701,149.969 cw(c30.963,149.428) 31.013,150.8 60.947,150.8 ; 60.947,150.801 cw(c60.947,145.249) 66.499,145.249 66.499,-9.433 cw(c60.956,-9.433) 60.956,-14.976
Mechanical 2:
  circle w0.254: c5,144 r7
  lines w0.254: -49.506,145.186 -49.503,144.678 ; -47.984,145.451 -49.505,144.932 ; -47.977,144.435 -49.505,144.932 ; -47.115,144.948 -49.505,144.932 ; -32.845,145.043 -30.455,145.059 ; -31.982,145.557 -30.455,145.059 ; -31.975,144.541 -30.455,145.059 ; -30.456,145.313 -30.453,144.805 ; -23.69,4.055 -23.69,140 ; -23.69,8.128 28.16,8.128 ; 60,-5.229 60,140.843
  text "19.05 (mm)" at -46.855,144.036 h1.52 r0.38
Mechanical 5:
  circle w0.254: c-40,145 r2.5
  circle w0.254: c-40,145 r9.5
  circle w0.254: c74,145 r9.5
  circle w0.254: c74,145 r2.5
  circle w0.254: c-29,145.5 r5
  circle w0.254: c-40,145 r4.5
  lines w0.254: -28.985,-5.026 -28.985,147.117 ; -23.828,140.424 ccw(c-27.8,148.5) -19.214,151.198 ; -23.69,4.055 83.7,4.055 ; -18.364,139.263 60.071,139.263 ; 60,-0.485 60,140.32 ; -49.7,-42.2 -49.7,151.2 83.7,151.2 83.7,-42.2 -49.7,-42.2
Mechanical 6:
  rectangle: 6.708,201.184 23.066,201.616
  rectangle: 6.728,204.4 23.085,204.832
  rectangle: 6.689,194.693 23.046,195.125
  rectangle: 6.689,198.251 23.046,198.682
  rectangle: 6.669,188.202 23.027,188.634
  rectangle: 6.669,191.76 23.027,192.191
  lines w0.203: 16.737,180.263 31.396,180.263 ; 16.737,182.359 31.377,182.359
  lines w0.254: -0.744,225.957 41.496,225.957 ; -17.788,168.058 -17.788,236.206 55.237,236.206 55.237,168.058 -17.788,168.058
  text "RECOMMENDED LAYUP" at 10.057,237.055 h1.25
  text "LAYER STACK CONFIGURATION" at -0.617,226.783 h1.25
  text "6 LAYER BUILD" at 8.191,210.795 h1.25
  text "-  COPPER CLAD" at 27.374,204.424 h0.75
  text "-  35 Micron H.T.E 1.4mil" at 38.245,204.424 h0.75
  text "TOP LAYER" at -11.862,204.318 h1.25
  text "TL" at 0.817,204.297 h1.25
  text "P1" at 0.809,200.921 h1.25
  text "INTERNAL PLANE 1" at -16.582,200.83 h1.25
  text "M1" at 0.659,197.812 h1.25
  text "MID LAYER 1" at -11.481,197.663 h1.25
  text "P2" at 0.711,194.64 h1.25
  text "INTERNAL PLANE 2" at -16.75,194.589 h1.25
  text "P3" at 0.771,191.495 h1.25
  text "INTERNAL PLANE 3" at -16.866,191.44 h1.25
  text "BL" at 0.771,187.938 h1.25
  text "BOTTOM LAYER" at -13.882,187.93 h1.25
  text "1.6mm" at 18.158,180.88 h1.25
  text "TOTAL BOARD THICKNESS: APPROX" at -14.382,180.73 h1.25
  text "(61.2mil)" at 24.918,180.73 h1.25
Drill Drawing:
  text ".Legend" at 73.508,-13.919 h1.52

## Dimensions
-30.5,145 to 5,144 on Mechanical 2
5,144 to 57,144 on Mechanical 2
5,144 to 0,0 on Mechanical 2
0,0 to 55,0 on Mechanical 2
0,0 to 5,144 on Mechanical 2
-49.7,-42.2 to -49.7,151.2 on Mechanical 2
-49.7,-42.2 to 83.7,-42.2 on Mechanical 2
-40,145 to 5,144 on Mechanical 2
57,144 to 74,145 on Mechanical 2

## Text inside footprints (layer, text, board x,y; h text height)
CV1: Top Overlay "+" at 48.338,83.553 h1.5
CV2: Top Overlay "+" at 48.084,115.912 h1.5
J2: Top Overlay "1" at -19.329,-2.261 h0.8; Top Overlay "16" at -10.846,-2.21 h0.8
J4: Top Overlay "1" at 18.517,-3.175 h0.8; Top Overlay "33" at 36.728,-3.429 h0.8
L1: Top Overlay "+" at 55.014,98.173 h1.5 r90
P5: Bottom Overlay "GND" at 32.817,120.32 h0.8 r180; Bottom Overlay "Vin" at 33.325,109.779 h0.8 r180; Bottom Overlay "0V" at 16.815,109.779 h0.8 r180; Bottom Overlay "+5V" at 11.354,109.652 h0.8 r180